# Allegro board MB1225_REVB_160222_1K.brd (continued)
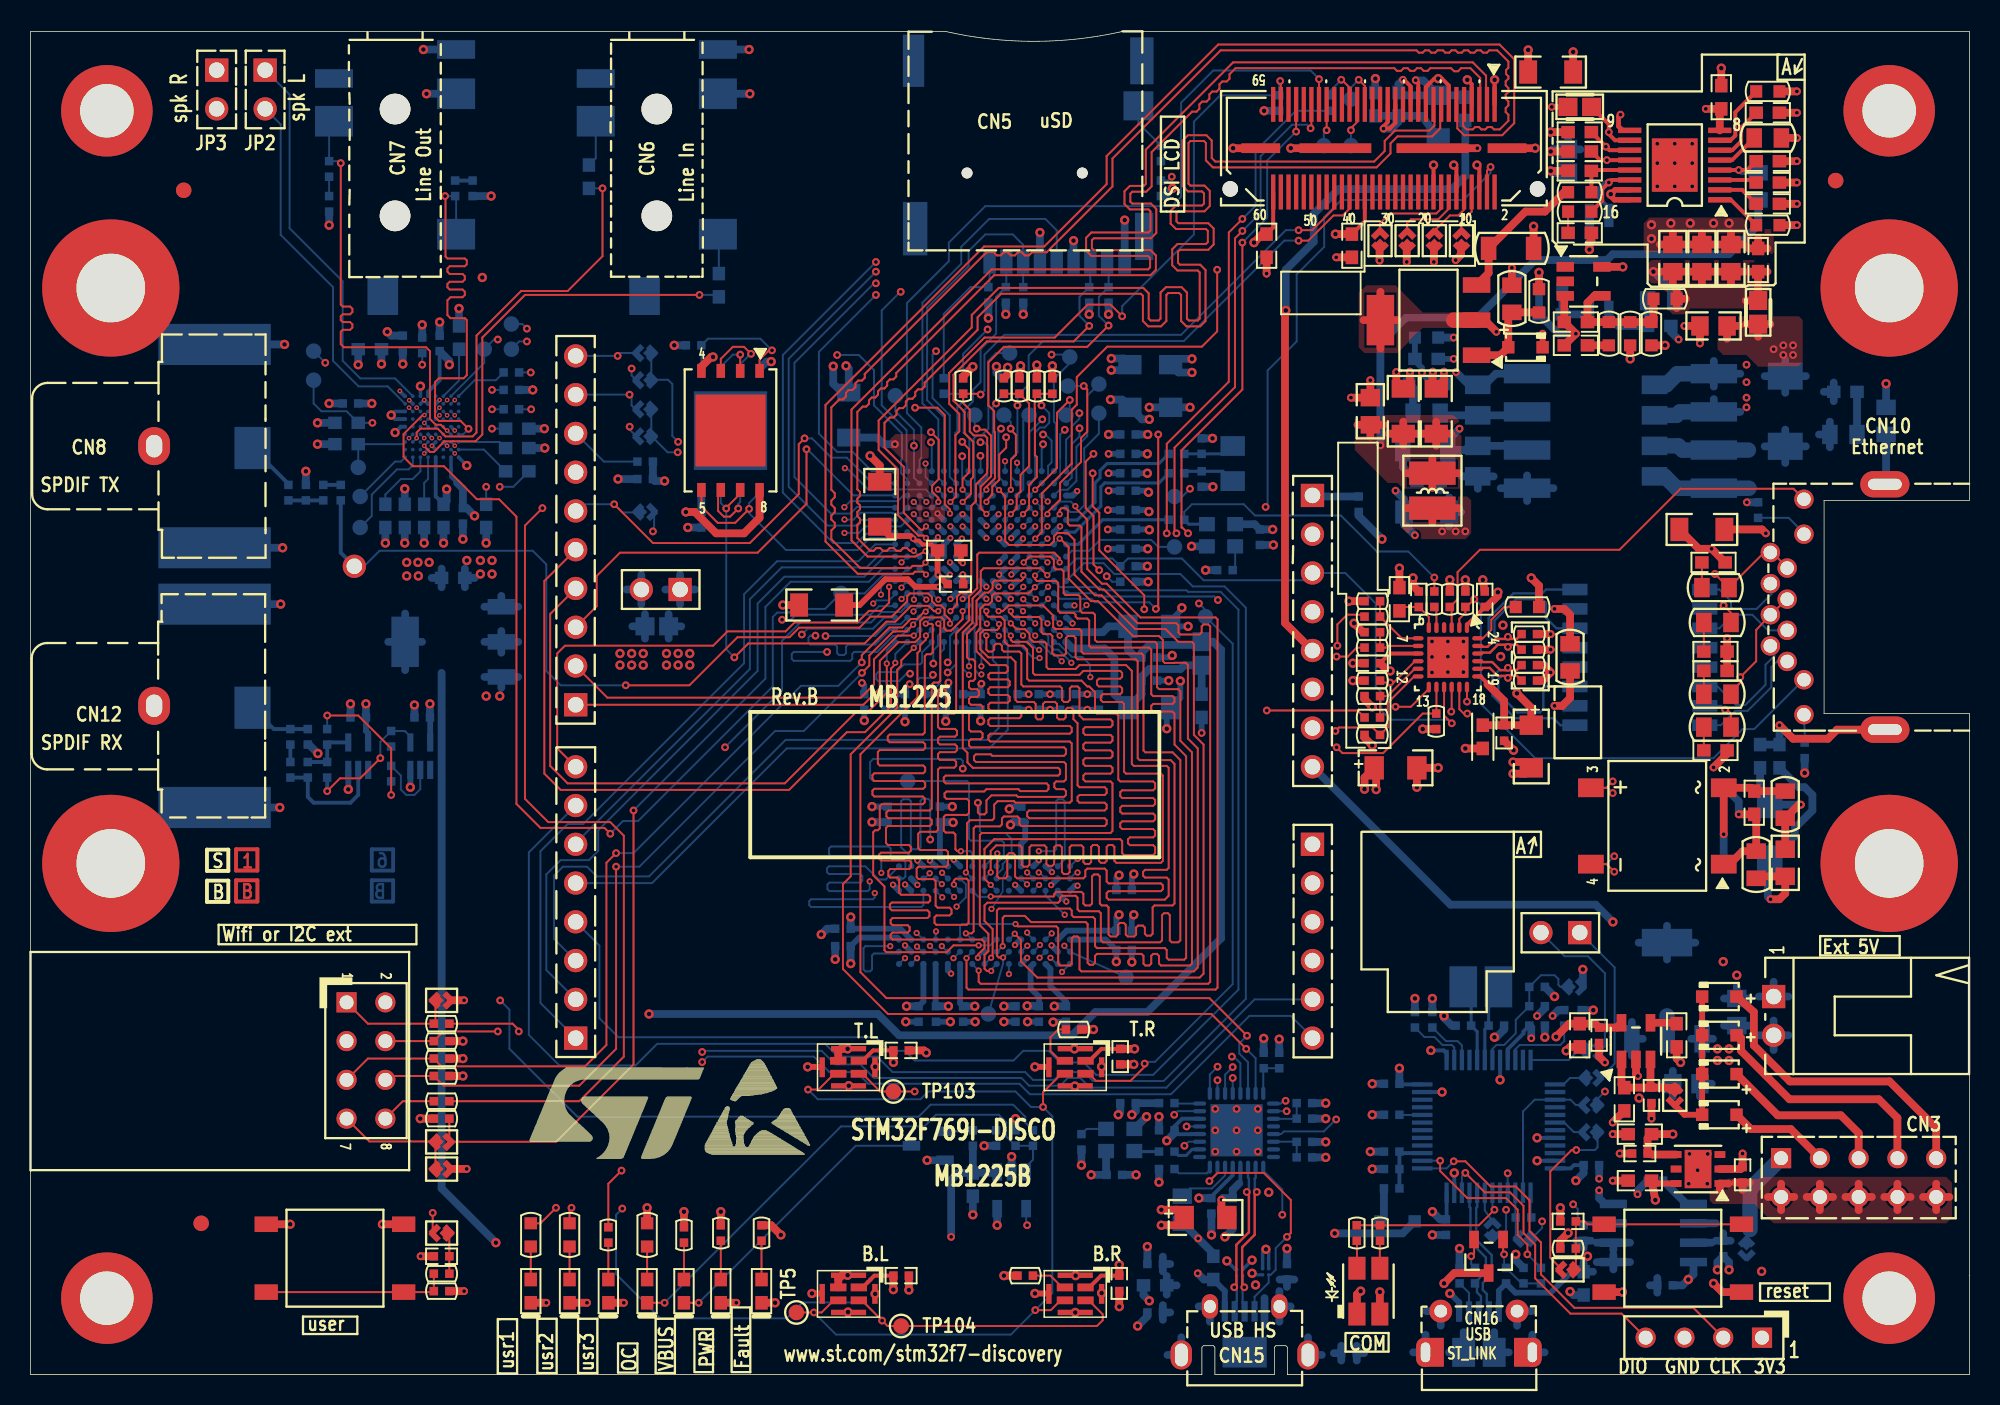
[diagram p0: board, top side]
## Routing (per net, layer and track width the routed paths; a pad name or vN(x,y) marks a point on that pad's centre or on a via; arc(x,y) is an arc through that point) (continued)
  BOTTOM w0.127: U11.H6 28.33,61.6 v2(28.69,61.96) ; CN7.6 27.88,77.15 C59.1 v2(27.15,77.22)
NETC59_2: length 1.1
  BOTTOM w0.254: C59.2 R77.1
NETC60_1: length 10.3
  TOP w0.254: CN1.27 89.4,82 89.03,81.64 v2(88.62,81.64) 88.62,81.79 88.9,82.06 CN1.29
  BOTTOM w0.508: v2(88.62,81.64) 89.15,81.64 89.6,82.08 C60.1 ; C60.1 91.14,82.47 C61.2 ; C60.1 L3.2
NETC60_2: length 10.9
  TOP w0.254: CN1.23 90.4,84.41 89.97,84.84 v2(89.89,84.84) ; CN1.21 90.9,84.64 v2(90.73,84.81)
  BOTTOM w0.508: C61.1 89.77,83.82 C60.2 89.6,84.54 v2(89.89,84.84) ; C61.1 93.85,83.82 L4.2 ; C61.1 91.24,84.79 90.75,84.79 v2(90.73,84.81)
NETC62_1: length 27.9
  TOP w0.127: v4(25.79,60.85) 25.79,60.83 26.16,60.45 26.42,60.45 27.11,61.14 27.66,61.14 27.67,61.15 29.14,61.15 29.59,61.59 29.59,67.94 32.38,70.74 v2(43.81,70.74)
  BOTTOM w0.127: v4(25.79,60.85) U11.D7 ; C62.1 44.96,70.74 v2(43.81,70.74)
NETC62_2: length 2.6
  BOTTOM w0.127: CN6.6 45.09,74.66 C62.2
NETC63_2: length 3.5
  BOTTOM w0.127: C63.2 28.07,65.13 U11.F1
NETC66_1: length 4.7
  BOTTOM w0.508: U10.1 103.38,69.34 104.01,68.71 C66.1 R84.1
NETC72_2: length 3.8
  BOTTOM w0.381: U13.E11 v3(59.41,56.41)
  BOTTOM w0.508: C72.2 55.45,61.39 55.88,60.96 v2(56.62,60.96)
NETC74_1: length 4.1
  L4_SIG w0.089: v4(27.79,60.86) 28.45,60.86
  L4_SIG w0.102: 28.45,60.86 29.11,60.86 v2(30.23,61.98)
  BOTTOM w0.089: U11.G7 v4(27.79,60.86)
  BOTTOM w0.127: C74.1 v2(30.23,61.98)
NETC77_2: length 3.4
  BOTTOM w0.203: R97.1 C77.2 78.22,60.33 X1.1
NETC78_1: length 3.2
  BOTTOM w0.127: C78.1 30.72,61.1 U11.H7
NETC82_1: length 3.7
  BOTTOM w0.127: U11.H8 29.69,60.6 C82.1
NETC82_2: length 6.9
  L4_SIG w0.102: v2(30.73,58.17) 30.09,58.81 28.62,58.81 27.79,59.65 v4(27.79,60.36)
  BOTTOM w0.089: U11.G8 v4(27.79,60.36)
  BOTTOM w0.127: 32.64,59.18 31.62,58.17 v2(30.73,58.17)
NETC84_2: length 3.5
  BOTTOM w0.203: X1.2 78.1,59.18 C84.2 75.69,59.18 R99.1
NETC87_1: length 2.3
  BOTTOM w0.254: C87.1 R102.1 R101.2
NETC87_2: length 3.4
  BOTTOM w0.254: C87.2 16.89,58.35 CN8.4
NETC90_1: length 6.6
  L4_SIG w0.102: v2(29.84,58.17) 28.8,58.17 26.79,60.18 v4(26.79,61.36)
  BOTTOM w0.089: U11.E6 v4(26.79,61.36)
  BOTTOM w0.127: C90.1 v2(29.84,58.17)
NETC93_1: length 3.2
  BOTTOM w0.127: U11.D9 26.04,58.68 25.78,58.42 C93.1
NETC95_2: length 4.5
  BOTTOM w0.127: C95.2 23.24,57.66 24.26,58.67 25.03,58.67 25.54,59.18 U11.C9
NETC119_1: length 3.9
  BOTTOM w0.254: U16.4 19.57,41.41 C119.1 R114.1 R115.2
NETC119_2: length 9.9
  TOP w0.127: v2(19.43,43.18) 21.46,43.18 23.62,41.02 v2(23.62,37.97)
  BOTTOM w0.127: C119.2 v2(19.43,43.18) ; R117.1 v2(23.62,37.97)
NETC120_1: length 4.2
  BOTTOM w0.254: R111.2 C120.1 15.94,42.29 CN12.4
NETC120_2: length 1.1
  BOTTOM w0.254: C120.2 R116.1
NETC148_1: length 29.1
  L4_SIG w0.508: v2(76.48,8.92) 75.82,8.26 74.75,8.26 74.12,7.62 72.9,7.62 71.75,8.76 60.55,8.76 v2(60.3,9.02)
  BOTTOM w0.508: C148.1 63.26,13.21 U21.1 ; C148.1 60.76,13.21 60.3,12.75 v2(60.3,9.02) ; C148.1 R132.1 ; L7.1 77.47,7.92 v2(76.48,8.92) 75.49,9.91 R142.2
NETC153_2: length 18
  BOTTOM w0.508: 80.82,5.01 CN15.5 80.82,3.26 ; 75.37,2.44 CN15.9 74.47,1.28 ; L8.2 74.42,6.45 ; L8.2 75.07,5.84 ; L8.2 74.42,5.23 ; C153.2 74.65,7.24 ; C153.2 74.17,6.76 ; C153.2 74.17,7.72 ; CN15.7 82.54,4.46 ; CN15.7 81.8,3.46 ; CN15.7 81.8,5.46 ; C156.2 74.17,4.55 ; C156.2 74.17,3.58 ; C156.2 74.65,4.06 ; C157.2 85.85,1.88 ; C157.2 85.85,0.91 ; C157.2 85.37,1.4 ; 83.67,2.44 CN15.8 84.58,1.28 ; 77.25,3.46 CN15.6 76.51,4.46 ; 82.3,5.74 C154.2 ; C154.2 82.78,6.22 ; C154.2 81.81,6.22
NETC200_1: length 3.5
  BOTTOM w0.508: R85.1 C200.1 101.98,69.47 U10.2
NETCN1_8: length 2.9
  TOP w0.127: CN1.8 94.4,76.2 93.72,75.52 SB1.1
NETCN1_10: length 3.7
  TOP w0.127: CN1.10 93.9,76.33 93.51,75.95 92.96,75.95 91.95,74.93
NETCN1_14: length 4.8
  TOP w0.127: SB3.1 90.16,75.43 90.42,75.69 92.2,75.69 92.9,76.39 CN1.14
NETCN1_16: length 6.1
  TOP w0.127: CN1.16 92.4,76.39 92.08,76.07 89.03,76.07 88.38,75.43 SB4.1
NETCN1_39: length 3.2
  TOP w0.127: CN1.39 86.4,84.33 85.89,84.84 v2(85.85,84.84)
  BOTTOM w0.127: v2(85.85,84.84) 85.09,84.07 R7.2
NETCN2_1: length 7.9
  TOP w0.127: CN2.1 22.1,22.99 R50.2 26.52,23.09 SB5.2
NETCN2_7: length 8.2
  TOP w0.127: SB8.2 SB6.2 22.19,15.27 CN2.7
NETCN2_8: length 3.6
  TOP w0.127: R57.1 24.38,17.91 CN2.8
NETCN5_10: length 3.2
  BOTTOM w0.127: R73.2 72.57,81.99 CN5.10
NETCN9_8: length 4.8
  BOTTOM w0.127: R98.1 37.55,59.82 CN9.8
NETCN10_1: length 7.9
  BOTTOM w0.13: CN10.1 114.39,46.72 114.02,46.35 114.02,45.03 112.47,43.48 111.66,43.48 110.72,42.55 T4.16
NETCN10_2: length 8
  BOTTOM w0.13: CN10.2 114.22,47.55 114.22,47.09 113.64,46.51 113.64,45.19 112.31,43.87 111.71,43.87 110.49,45.09 T4.14
NETCN10_3: length 6.2
  BOTTOM w0.13: T4.11 110.62,48.9 111.51,49.78 112.78,49.78 113.8,48.76 CN10.3
NETCN10_4: length 26.4
  TOP w0.127: D4.4 103.24,33.44 v2(103.73,32.94) ; 111.38,44.58 111.38,44.73 111.99,45.34 v2(111.99,45.69) 113.03,46.74 113.03,48.78 CN10.4 115.05,50.8 CN10.5
  L4_SIG w0.102: v2(111.99,45.69) 111.76,45.47 111.76,39.75 105.26,33.25 104.04,33.25 v2(103.73,32.94)
NETCN10_6: length 6.2
  BOTTOM w0.13: CN10.6 114.03,51.14 113.06,50.16 111.51,50.16 111.38,50.29 111.38,50.67 110.62,51.44 T4.9
NETCN10_7: length 26.7
  TOP w0.127: CN10.7 114.11,53.86 CN10.8 113.55,53.86 R26.2 111.22,51.56 v2(110.33,52.46) ; D4.3 103.21,38.44 v2(103.63,38.86)
  L4_SIG w0.102: v2(110.33,52.46) 109.22,51.35 109.22,40.64 107.82,39.24 104.01,39.24 v2(103.63,38.86)
NETCN11_1: length 3.1
  BOTTOM w0.508: R103.1 84.04,57.53 CN11.1
NETCN14_5: length 88
  L4_SIG w0.102: v2(43.99,21.13) 44.32,21.46 44.32,53.04 42.39,54.97 v2(42.39,60.43)
  BOTTOM w0.127: v2(42.39,60.43) 41.73,60.43 SB14.2 SB13.2 ; CN14.5 80.18,24.58 74.4,18.8 69.39,18.8 68.76,19.43 67.94,19.43 67.44,18.92 65.41,18.92 64.9,19.43 55.24,19.43 54.36,20.32 52.7,20.32 51.82,21.21 44.07,21.21 v2(43.99,21.13)
NETCN14_6: length 92.9
  L4_SIG w0.102: v2(43.99,20.47) 44.63,21.11 44.63,53.14 43.97,53.8 43.97,57.63 43.1,58.5 43.1,60.43 v2(42.42,61.11)
  BOTTOM w0.127: v2(43.99,20.47) 44.35,20.83 51.31,20.83 52.32,19.81 54.1,19.81 54.86,19.05 64.77,19.05 65.46,18.36 74.7,18.36 79.83,23.5 82.55,23.5 83.97,22.08 CN14.6 ; v2(42.42,61.11) 42.04,61.49 42.04,64.9 41.75,65.18 SB12.2 SB11.2
NETCN15_4: length 15.8
  TOP w0.127: v2(77.22,12.67) 77.75,13.21 80.77,13.21 82.55,11.43 82.55,9.27 v2(82.3,9.02)
  BOTTOM w0.127: v2(82.3,9.02) 81.56,8.28 81.56,6.86 81.23,6.53 D12.A2 81.1,6.02 80.17,5.09 CN15.4 ; U20.23 77.74,13.2 v2(77.22,12.67)
NETCN16_4: length 2.1
  BOTTOM w0.127: CN16.4 94.22,5.35 R149.2
NETD1_1: length 6.5
  TOP w0.508: T1.1 96.27,66.79 D1.1 96.79,69.36 R10.2 R12.2
NETD1_2: length 23.9
  TOP w0.381: R2.2 v2(99.64,83.06) ; D1.2 v2(99.04,68.2)
  L4_SIG w0.381: v2(99.04,68.2) 99.04,70.59 100.46,72.01 100.46,74.8 101.98,76.33 103.63,76.33 104.52,77.22 104.52,81.28 103.5,82.3 100.41,82.3 v2(99.64,83.06)
NETD3_1: length 2
  BOTTOM w0.508: R24.1 90.55,64.66 D3.1
NETD5_2: length 9.9
  TOP w0.381: D5.2 D6.2 D7.2 D8.2 108.33,17.02 107.7,17.64 SB7.1
NETD9_3: length 18.8
  TOP w0.127: v2(111,43.56) 111.12,43.56 111.38,43.31 111.38,42.42
  L4_SIG w0.102: v2(103.73,33.96) 104.11,33.58 105.03,33.58 111.38,39.93 111.38,43.18 v2(111,43.56)
  BOTTOM w0.127: v2(103.73,33.96) 103.21,33.44 D9.3 ; T4.15 110.74,43.81 v2(111,43.56)
NETD9_4: length 21.5
  TOP w0.127: v2(110.9,50.39) 111.38,49.91 111.38,49.28
  L4_SIG w0.102: v2(103.63,38.1) 104.39,38.86 107.82,38.86 109.47,40.51 109.47,48.97 v2(110.9,50.39)
  BOTTOM w0.127: D9.4 103.29,38.44 v2(103.63,38.1) ; v2(110.9,50.39) 110.67,50.16 T4.10
NETD11_2: length 2.3
  BOTTOM w0.508: D11.2 88.65,10.27 R141.2
NETJP2_1: length 26.7
  BOTTOM w0.127: U11.B1 23.87,65.27 21.6,65.27 20.45,66.42 20.45,71.63 16.97,75.11 16.97,83.87 JP2.1
NETJP2_2: length 24.2
  BOTTOM w0.127: JP2.2 16.38,81.92 16.38,74.68 19.81,71.25 19.81,66.42 21.49,64.75 23.4,64.75 U11.A2
NETJP3_1: length 27.9
  L4_SIG w0.102: JP3.1 13.84,83.82 13.84,82.3 18.16,77.98 18.16,72.52 23.5,67.17 23.5,65.53 25.08,63.95 25.08,63.56 v4(25.29,63.35)
  BOTTOM w0.089: U11.C3 v4(25.29,63.35)
NETJP3_2: length 25.1
  L4_SIG w0.102: JP3.2 17.65,77.47 17.65,72.26 22.35,67.56 22.35,65.82 24.51,63.66 24.51,63.63 v4(24.79,63.35)
  BOTTOM w0.089: U11.B3 v4(24.79,63.35)
NETLD1_1: length 2.2
  TOP w0.127: LD1.1 R62.2
NETLD2_1: length 2.2
  TOP w0.127: LD2.1 R63.2
NETLD3_1: length 2.4
  TOP w0.127: LD3.1 R64.1
NETLD4_1: length 2.2
  TOP w0.127: LD4.1 R65.1
NETLD4_2: length 33.7
  TOP w0.127: LD4.2 v2(41.53,4.7)
  BOTTOM w0.127: v2(41.53,4.7) 53.09,16.26 58.55,16.26 59.31,17.02 63.42,17.02 63.91,16.54 63.91,15.6 R130.2 R129.1 65.66,14.07 65.21,13.62 U21.3
NETLD5_1: length 2.4
  TOP w0.127: LD5.1 R66.1
NETLD5_2: length 19.2
  TOP w0.127: LD5.2 v2(43.76,4.7)
  BOTTOM w0.127: v2(43.76,4.7) 54.05,14.99 T5.3
NETLD6_1: length 2.5
  TOP w0.127: R58.2 LD6.1
NETLD7_1: length 2.5
  TOP w0.127: R59.1 LD7.1
NETLD7_2: length 66.9
  TOP w0.508: LD7.2 v1(48.77,4.7)
  L4_SIG w0.508: v1(108.58,6.22) 93.6,6.22 93.09,6.73 85.98,6.73 81.92,2.67 76.45,2.67 75.88,3.24 73.85,3.24 72.64,2.03 51.44,2.03 v1(48.77,4.7)
  BOTTOM w0.508: U22.8 108.92,6.56 v1(108.58,6.22) 108.2,5.84 R150.1
NETLD8_2: length 1.8
  TOP w0.127: LD8.2 86.88,8.75 R60.2
NETLD8_3: length 1.8
  TOP w0.127: R61.2 88.38,8.75 LD8.3
NETR1_2: length 4.6
  TOP w0.254: R1.2 111.66,82.71 111.66,81.18 111.35,80.87 U1.7
NETR2_1: length 17.2
  TOP w0.254: U1.10 103.78,80.87 103.38,81.28 v2(103.38,81.41) 103.38,81.93 R2.1
  TOP w0.508: R10.1 v2(97.03,72.52)
  L4_SIG w0.381: v2(97.03,72.52) 97.03,75.18 98.17,76.33 99.06,76.33 101.47,78.74 101.47,79.88 103,81.41 v2(103.38,81.41)
NETR3_2: length 2.9
  TOP w0.254: U1.5 111.45,79.57 R3.2
NETR4_2: length 9.5
  TOP w0.508: R4.2 100.46,77.47 99.19,76.2 97.92,76.2 R9.2 95.5,72.17 T1.3
NETR5_2: length 6.6
  TOP w0.254: R5.2 102.95,76.91 102.95,77.67 v2(103.38,78.11) 103.55,78.27 U1.14
  BOTTOM w0.254: v2(103.38,78.11) 103.12,78.11 102.74,77.72 102.74,77.09 103.38,76.45 U10.4
NETR6_1: length 3.1
  TOP w0.254: U1.1 111.37,76.97 R6.1
NETR20_2: length 9.9
  TOP w0.127: R21.2 R20.2 65.79,64.14 65.79,63.7 65.77,63.68 65.77,63.32 65.79,63.3 65.79,60.25 65.91,60.12 65.91,58.8 65.41,58.29 65.41,56.77 v3(65.01,56.37)
  BOTTOM w0.102: U13.E5 v3(65.01,56.37)
NETR27_2: length 1.4
  TOP w0.127: U3.5 92.09,50.15 R27.2
NETR30_1: length 4.1
  TOP w0.127: R30.1 R32.1 89.81,48.24 U3.7
NETR31_1: length 3.7
  TOP w0.127: R31.1 96.52,50.29 95.68,49.45 95.68,48.79 95.13,48.24 U3.24
NETR34_1: length 3.6
  TOP w0.127: R34.1 R36.1 88.77,47.62 88.89,47.74 U3.8
NETR38_1: length 4.4
  TOP w0.508: R38.1 100.84,49.78 100.46,50.16 v2(99.82,50.16)
  BOTTOM w0.508: T4.7 v2(99.82,50.16)
NETR38_2: length 4.3
  TOP w0.508: R38.2 100.84,44.32 100.33,43.81 v2(99.82,43.81)
  BOTTOM w0.508: T4.2 v2(99.82,43.81)
NETR43_1: length 4.6
  TOP w0.127: U3.11 90.66,46.24 88.87,44.45 R43.1 R44.1
NETR51_1: length 3.3
  TOP w0.127: U6.2 67.46,20.56 66.8,21.21 66.8,22.1 67.31,22.61 R51.1
NETR64_2: length 51.2
  TOP w0.127: v2(38.71,13.36) 37.85,12.5 R64.2
  L4_SIG w0.102: v2(40.77,55.24) 41.15,54.86 41.91,54.86 43.94,52.83 43.94,22.48 43.31,21.84 43.31,17.96 v2(38.71,13.36)
  BOTTOM w0.127: v2(40.77,55.24) 40.84,55.32 SB15.1
NETR71_1: length 2.4
  TOP w0.127: U9.2 67.57,5.71 66.8,6.48 65.66,6.48
NETR87_1: length 6
  L4_SIG w0.102: v4(25.79,62.35) 25.51,62.63 25.51,63.06 25.57,63.12 25.57,63.67 25.4,63.84 25.4,64.12 24.89,64.63 24.89,65.41 v2(25.65,66.17)
  BOTTOM w0.089: U11.D5 v4(25.79,62.35) 25.79,62.36 U11.D4
  BOTTOM w0.127: R87.1 v2(25.65,66.17)
NETR88_2: length 3.6
  BOTTOM w0.127: R88.2 30.48,65.15 29.09,65.15 U11.H1
NETR94_1: length 3.8
  L4_SIG w0.089: 28.45,64.51 v4(27.79,63.85)
  L4_SIG w0.102: 28.45,64.51 28.45,64.52 v2(30.23,64.52)
  BOTTOM w0.089: U11.G2 v4(27.79,63.85)
  BOTTOM w0.127: R94.1 v2(30.23,64.52)
NETR95_2: length 4.2
  L4_SIG w0.102: v2(30.23,63.25) 30.12,63.14 27.58,63.14 v4(27.29,62.86)
  BOTTOM w0.089: U11.F3 v4(27.29,62.86)
  BOTTOM w0.127: R95.2 v2(30.23,63.25)
NETR100_2: length 1.1
  BOTTOM w0.254: R101.1 R100.2
NETR107_2: length 1.6
  BOTTOM w0.127: X2.1 78.9,52.87 R107.2
NETR108_2: length 7.7
  L4_SIG w0.102: v3(65.02,51.61) 65.46,51.18 67.18,51.18 67.82,51.82 70,51.82 70.49,52.31 70.49,52.31 v2(70.49,52.31)
  BOTTOM w0.127: R108.2 70.85,51.94 v2(70.49,52.31) ; v3(65.02,51.61) 65.02,51.59 U13.L5
NETR112_1: length 5.9
  BOTTOM w0.127: U15.2 25.53,38.35 25.15,37.97 24.61,37.97 24.26,38.33 24.26,39.24 R117.2 R112.1
NETR115_1: length 7.7
  BOTTOM w0.254: R116.2 R115.1 18.16,37.85 18.54,37.47 20.95,37.47 21.46,37.97 U16.2
NETR121_2: length 3.4
  BOTTOM w0.127: R121.2 92.71,21.84 93.47,21.84 93.75,21.56 U19.3
NETR122_2: length 3.9
  BOTTOM w0.127: U19.2 93.25,21.43 93.09,21.59 92.48,21.59 91.96,22.11 91.3,22.11 R122.2
NETR126_1: length 1.7
  BOTTOM w0.127: R126.1 74.96,17.75 U20.32
NETR127_2: length 1.5
  BOTTOM w0.127: R127.2 89.67,17.01 U19.44
NETR131_1: length 3.4
  BOTTOM w0.127: R131.1 R132.2 61.66,15.94 T5.1
NETR134_2: length 1.8
  BOTTOM w0.127: X4.1 69.18,16.09 R134.2
NETR136_2: length 1.9
  BOTTOM w0.203: U20.26 76.09,14.75 75.69,14.35 75.18,14.35 R136.2
NETR139_1: length 2.7
  BOTTOM w0.127: R139.1 75.21,13.18 77.04,13.18 77.24,13.39 U20.24
NETR140_1: length 2.6
  BOTTOM w0.508: R140.1 108.46,11.18 U22.5
NETR142_1: length 3.9
  BOTTOM w0.127: R142.1 75.95,12.19 77.39,12.19 78.24,13.04 U20.22
NETR145_1: length 4.6
  TOP w0.127: T3.1 96.45,7.94 v2(96.52,7.87)
  BOTTOM w0.127: R145.1 R146.2 97.66,5.97 R147.1 96.52,7.11 v2(96.52,7.87)
NETR148_2: length 2
  TOP w0.127: T3.2 94.55,7.94 v2(94.36,7.75)
  BOTTOM w0.127: v2(94.36,7.75) 94.36,7.24 R148.2
NETU20_17: length 22.2
  L4_SIG w0.102: v2(81.99,10.46) 80.52,10.46 80.01,9.96 76.33,9.96 75.54,9.17 72.39,9.17 71.78,9.78 v2(65.28,9.78)
  BOTTOM w0.127: v2(65.28,9.78) 65.21,9.85 U21.4 ; v2(81.99,10.46) 81.99,12.12 80.74,13.36 U20.17
NRST: length 109.6
  TOP w0.127: U3.15 92.59,43.18 v2(93.09,42.67) ; v2(101.24,14.71) 100.94,14.71 99.54,13.31 99.54,7.65 100.2,6.99
  L4_SIG w0.102: v2(93.09,42.67) 93.09,31.88 97.73,27.24 97.73,25.72 99.44,24 100.61,24 101.24,23.37 v2(101.24,14.71) 101.22,14.73 97.66,14.73 97.03,15.37 87,15.37 84.58,12.95 77.72,12.95 75.71,14.97 75.56,14.97 v2(75.58,14.99)
  BOTTOM w0.127: v2(101.24,14.71) 102.46,14.71 102.64,14.88 SB20.2 ; U13.J1 68.5,53.47 70.87,53.47 R106.1 71.88,53.47 75.41,53.47 76.83,52.04 83.49,52.04 CN11.3 86.11,52.52 88.11,50.52 88.11,45.09 88.47,44.73 88.47,43.51 89.08,42.9 92.86,42.9 v2(93.09,42.67) ; v2(75.58,14.99) 75.85,15.25 U20.27
OSC_24M: length 1.6
  BOTTOM w0.203: X4.3 72.34,14.61 R136.1
OSC_25M: length 21.6
  TOP w0.127: R27.1 v2(91.95,52.22)
  BOTTOM w0.127: v2(91.95,52.22) 90.25,53.92 88.19,53.92 85.83,56.29 80.2,56.29 79.46,57.02 76.07,57.02 75.56,56.52 R104.1
  BOTTOM w0.203: R104.1 75.86,55.72 X2.3
OSC_IN: length 5.2
  BOTTOM w0.203: X3.2 94.36,24.88 C142.2 94.75,22.47 U19.5
OSC_OUT: length 5.2
  BOTTOM w0.203: U19.6 95.25,22.61 C141.2 95.5,24.76 X3.1
PA0: length 111.6
  TOP w0.127: SB9.1 v2(26.34,10.59)
  L4_SIG w0.102: v2(26.34,10.59) 26.9,10.03 38.61,10.03 46.61,18.03 65.02,18.03 65.28,18.29 76.07,18.29 76.2,18.16 81.03,18.16 81.66,17.53 81.66,17.02 82.04,16.64 82.63,16.64 83.01,17.02 83.01,19.35 82.42,19.94 82.42,29.97 83.31,30.86 84.48,30.86 85.5,31.88 85.5,35.15 81.64,39.01 81.64,43.94 78.94,46.63 74.45,46.63 73.33,47.75 67.56,47.75 66.96,48.35 66.96,48.73 66.61,49.09 v3(66.61,49.22)
  BOTTOM w0.127: U13.N3 v3(66.61,49.22)
PA1: length 33.4
  TOP w0.127: U3.14 92.09,43.32 R45.1 91.19,43.31 88.6,40.72 85.93,40.72 v2(85.55,41.1)
  L4_SIG w0.102: v2(85.55,41.1) 85.95,41.5 85.95,42.98 85.12,43.81 82.83,43.81 78.94,47.7 75.49,47.7 74.8,48.39 67.94,48.39 67.41,48.92 v3(67.41,49.22)
  BOTTOM w0.127: U13.N2 v3(67.41,49.22)
PA2: length 29.7
  TOP w0.127: U3.12 90.62,45.74 88.9,44.02 88.9,42.42 R47.1 87.91,42.39 85.7,42.39 v2(85.47,42.16)
  L4_SIG w0.102: v2(85.47,42.16) 85.47,42.67 84.71,43.43 82.73,43.43 78.82,47.35 75.36,47.35 74.57,48.13 67.69,48.13 v3(67.41,48.42)
  BOTTOM w0.127: U13.P2 v3(67.41,48.42)
PA3: length 39.6
  L4_SIG w0.102: v3(69.42,45.69) 73.13,45.69 74.27,44.55 77.52,44.55 79.17,42.9 79.17,20.57 v2(78.74,20.14)
  BOTTOM w0.127: v2(78.74,20.14) 78.24,19.65 U20.3 ; v3(69.42,45.69) 69.39,45.72 69.39,46.51 68.88,47.02 68.22,47.02 67.35,47.88 67.21,47.88 67.09,47.99 U13.R2
PA5: length 40.8
  L4_SIG w0.102: v3(65.81,48.42) 65.81,48.41 65.71,48.31 65.71,46.81 66.95,45.57 67.82,45.57 68.72,44.67 68.72,44.28 68.86,44.15 73.08,44.15 73.53,43.69 76.78,43.69 77.88,42.6 77.88,20.29 v2(77.75,20.17)
  BOTTOM w0.102: U13.P4 v3(65.81,48.42)
  BOTTOM w0.127: U20.1 77.24,19.66 v2(77.75,20.17)
PA7: length 23.6
  TOP w0.127: R44.2 86.92,43.51 v2(80.98,43.51)
  L4_SIG w0.102: v2(80.98,43.51) 78.16,46.33 74.24,46.33 73.46,47.12 67.92,47.12 v3(67.54,46.74)
  BOTTOM w0.127: v3(67.54,46.74) 67.06,47.22 66.85,47.22 66.23,47.84 U13.R3
PA8: length 66.6
  TOP w0.127: CN1.45 v2(84.9,81.53)
  L4_SIG w0.102: v2(55.37,72.9) 55.88,72.9 56.31,72.47 65.33,72.47 66.93,70.87 78.23,70.87 83.62,76.25 83.62,80.26 v2(84.9,81.53)
  BOTTOM w0.127: v2(55.37,72.9) 49.28,66.8 49.28,57.78 52.58,54.48 54.13,54.48 54.74,55.09 56.53,55.09 U13.F15 ; TP2.1 84.71,81.35 v2(84.9,81.53)
PA9: length 111.4
  L4_SIG w0.102: JP5.1 100.36,30.07 97.43,30.07 95.86,31.65 95.86,44.6 94.74,45.72 94.74,48.54 94.16,49.12 92.63,49.12 88.01,53.74 88.01,58.11 85.07,61.05 84.07,61.05 77.3,67.82 69.34,67.82 65.13,72.03 55.6,72.03 v2(55.37,72.26)
  BOTTOM w0.102: 55.65,55.99 U13.E15
  BOTTOM w0.127: v2(55.37,72.26) 49.66,66.55 49.66,58.17 52.2,55.63 54.06,55.63 54.42,55.99 55.65,55.99 ; SB18.1 103.76,20.36 103.76,26.67 JP5.1
PA10: length 106.4
  L4_SIG w0.102: v2(55.37,71.5) 55.58,71.7 64.95,71.7 69.22,67.44 77.32,67.44 83.96,60.8 84.92,60.8 87.76,57.96 87.76,53.67 92.56,48.87 93.95,48.87 94.46,48.36 94.46,45.62 95.61,44.48 95.61,31.39 98.04,28.96 JP5.2
  BOTTOM w0.127: JP5.2 100.48,27.41 102.01,27.41 103.12,26.29 103.12,21.51 SB17.1 ; v2(55.37,71.5) 55.24,71.5 50.04,66.29 50.04,58.8 52.43,56.41 53.7,56.41 54.13,56.85 56.58,56.85 U13.D15
PA13: length 116.4
  L4_SIG w0.102: v2(99.01,10.03) 99.26,9.78 101.35,9.78 102.23,10.67 102.23,17.02 103.63,18.41 103.63,20.83 103,21.46 103,24.51 102.74,24.77 101.6,24.77 95.35,31.01 95.35,44.22 94.36,45.21 91.77,45.21 91.31,45.67 91.31,49.73 87.5,53.54 87.5,57.84 84.86,60.48 83.85,60.48 77.27,67.06 68.96,67.06 64.64,71.37 56.01,71.37 v2(55.37,70.74)
  BOTTOM w0.127: v2(55.37,70.74) 51.64,67.01 51.64,61.65 52.83,60.45 53.85,60.45 55.11,59.19 U13.A15 ; v2(99.01,10.03) 99.01,9.6 98.33,8.92 SB22.2
PA14: length 97
  L4_SIG w0.102: v2(57,70.94) 64.44,70.94 70.23,65.15 78.74,65.15 83.72,60.17 84.76,60.17 87.25,57.68 87.25,53.44 91.06,49.63 91.06,45.54 91.69,44.91 94.31,44.91 95.1,44.12 95.1,30.76 101.82,24.04 101.82,19.85 v2(103.12,18.54)
  BOTTOM w0.127: U13.A14 57.38,59.25 57.38,61.87 55.75,63.5 55.75,69.72 56.97,70.94 v2(57,70.94) ; SB19.2 102.64,18.06 v2(103.12,18.54)
PA15: length 51
  TOP w0.127: CN1.47 v2(84.4,84.88)
  BOTTOM w0.127: v2(84.4,84.88) 84.4,84.9 83.85,85.45 77.47,85.45 75.36,83.34 75.36,77.17 74.75,76.56 62.53,76.56 60.15,74.17 60.15,72.95 57.4,70.21 57.4,62.99 58.34,62.05 58.34,60.06 58.23,59.94 U13.A13
PB0: length 40.5
  L4_SIG w0.102: v2(78.74,19.43) 78.62,19.43 78.26,19.79 78.26,42.82 77.11,43.97 73.79,43.97 72.72,45.03 68.78,45.03 68.02,45.8 67.18,45.8 66.09,46.89 v3(66.09,46.95)
  BOTTOM w0.127: v3(66.09,46.95) 65.68,46.95 U13.R5 ; U20.4 v2(78.74,19.43)
PB1: length 40.4
  L4_SIG w0.102: v2(78.69,20.83) 78.69,42.88 77.32,44.25 74.07,44.25 73,45.31 68.99,45.31 68.28,46.02 67.28,46.02 66.78,46.53 66.78,47.07 66.36,47.48 v3(66.06,47.48)
  BOTTOM w0.127: v2(78.69,20.83) 78.82,20.83 79.24,20.4 U20.5 ; U13.R4 65.95,47.48 v3(66.06,47.48)
PB2: length 50.7
  TOP w0.127: v2(46.35,56.74) 45.82,56.21 45.41,56.21 45.03,56.59 45.03,57.78 U250.6 ; v2(69.57,59.05) 69.57,56.9 70,56.46 70,54 72.95,51.05 v2(72.95,50.14)
  L4_SIG w0.102: v2(69.57,59.05) 69.47,59.05 68.78,59.74 65.96,59.74 65.25,60.45 62.89,60.45 62.69,60.66 58.75,60.66 58.55,60.86 58.55,61.14 57.94,61.75 52.76,61.75 47.22,56.21 46.89,56.21 v2(46.35,56.74) ; v2(72.95,50.14) 72.29,49.48 68.86,49.48 68.53,49.81 67.97,49.81 67.76,50.02 v3(65.01,50.02)
  BOTTOM w0.127: U12.6 46.48,57.18 46.35,57.05 v2(46.35,56.74) ; U13.M5 v3(65.01,50.02)
PB3: length 6.6
  BOTTOM w0.127: R93.2 R92.2 61.09,63.75 60.71,63.37 60.71,61.82 60.58,61.7 60.58,59.24 U13.A10
PB4: length 15.1
  BOTTOM w0.127: CN5.2 63.92,71.28 R82.1 63.25,70.61 63.25,68.2 62.23,67.18 62.23,65.02 61.72,64.52 61.72,63.75 61.11,63.14 61.11,61.72 61.49,61.34 61.49,59.26 U13.A9
PB5: length 79.5
  L4_SIG w0.102: v2(85.52,16.71) 85.85,17.04 85.85,27.3 91.82,33.27 91.82,38.73 90.42,40.13 90.42,44.2 89.79,44.83 89.79,49.12 85.98,52.93 85.98,55.53 85.01,56.49 83.1,56.49 81.31,58.28 81.31,60.62 79.68,62.26 77.17,62.26 73.48,58.57 67.5,58.57 66.85,59.23 65.87,59.23 64.9,60.2 v2(62.22,60.2)
  BOTTOM w0.127: U13.A8 62.23,60.19 v2(62.22,60.2) ; v2(85.52,16.71) 85.49,16.71 84.71,15.93 82.09,15.93 81.92,15.75 U20.13
PB6: length 29.7
  TOP w0.127: U250.1 47.75,66.5 48.36,67.11 v2(48.56,67.11)
  L4_SIG w0.102: v2(63.56,61.98) 63.41,62.13 62.84,62.13 61.95,63.02 59.46,63.02 55.22,67.26 48.72,67.26 v2(48.56,67.11)
  BOTTOM w0.127: v2(48.56,67.11) 47.8,67.87 44.37,67.87 R86.1 U12.1 ; v2(63.56,61.98) 63.4,61.81 63.4,58.83 U13.B6
PB7: length 74.9
  TOP w0.127: v2(83.06,74.3) 83.69,74.3 85.34,75.95 85.95,75.95 86.4,76.39 CN1.40
  L4_SIG w0.102: v2(64.64,63.5) 64.03,64.11 63.32,64.11 62.41,65.02 59.94,65.02 56.01,68.96 35.05,68.96 32.26,66.17 32.26,63.78 v2(32.79,63.25)
  BOTTOM w0.127: U13.B5 64.22,58.8 64.22,60.01 64.64,60.43 v2(64.64,63.5) 64.64,64.14 R90.2 65.38,64.87 65.38,66.78 66.32,67.72 75.54,67.72 82.12,74.3 v2(83.06,74.3) ; R95.1 v2(32.79,63.25)
PB10: length 55.6
  TOP w0.127: v2(79.68,22.2) 77.22,24.66 56.06,24.66 54.36,26.37 54.36,40.64 58.09,44.37 58.09,47.27 58.27,47.45 58.27,47.78 58.65,48.16 v3(58.65,48.42)
  BOTTOM w0.127: v2(79.68,22.2) 79.17,21.69 79.17,21.03 79.74,20.46 U20.6 ; U13.P12 v3(58.65,48.42)
PB11: length 55.3
  TOP w0.127: v2(79.63,21.34) 77.34,23.62 56.16,23.62 53.21,26.57 53.21,32.13 53.72,32.64 53.72,40.64 56.77,43.69 56.77,46.18 57.04,46.44 57.04,46.8 v3(57.85,47.62)
  BOTTOM w0.127: U20.7 80.24,20.72 v2(79.63,21.34) ; U13.R13 v3(57.85,47.62)
PB12: length 55.2
  L4_SIG w0.102: v2(82.21,17.93) 81.67,18.47 77.44,18.47 76.64,19.27 76.64,20.82 76.89,21.06 76.89,41.22 75.29,42.82 71.6,42.82 71.3,42.52 68.76,42.52 67.13,44.15 66.5,44.15 66.34,44.3 66.34,45.14 63.68,47.8 61.54,47.8 60.83,48.51 60.07,48.51 59.74,48.84 59.31,48.84 59.05,49.1 59.05,50.12 59.35,50.42 59.61,50.42 59.82,50.63 59.82,50.92 59.61,51.13 59.03,51.13 v3(58.67,50.77)
  BOTTOM w0.127: U13.L13 58.25,51.19 v3(58.67,50.77) ; U20.9 81.89,17.75 82.07,17.93 v2(82.21,17.93)
PB13: length 59.6
  L4_SIG w0.102: v2(82.28,17.25) 82.75,17.73 82.75,18.11 82.09,18.77 77.57,18.77 76.95,19.39 76.95,20.62 77.19,20.85 77.19,42.34 76.43,43.1 71.42,43.1 71.15,42.82 68.88,42.82 68.12,43.59 68.12,44.48 67.51,45.09 66.73,45.09 63.8,48.01 61.72,48.01 60.96,48.77 60.15,48.77 59.82,49.1 59.82,50.08 60.15,50.42 60.45,50.42 60.61,50.58 60.61,51.48 60.12,51.97 59.28,51.97 58.85,51.54 57.07,51.54 v3(57.05,51.56)
  BOTTOM w0.127: v3(57.05,51.56) 57.05,51.61 U13.K14 ; U20.10 v2(82.28,17.25)
PC0: length 67.4
  L4_SIG w0.102: v2(75.72,16.25) 77.38,17.91 80.77,17.91 81.28,17.4 81.28,17.02 81.92,16.38 82.78,16.38 83.31,16.91 83.31,19.56 82.8,20.07 82.8,27.94 83.44,28.57 84.45,28.57 88.98,33.1 88.98,41.81 87.38,43.41 87.38,47.24 85.72,48.9 81.66,48.9 80.52,50.04 77.85,50.04 76.43,51.46 71.91,51.46 70.87,50.42 v3(69.16,50.42)
  BOTTOM w0.127: v3(69.16,50.42) 68.74,50 67.43,50 U13.M2 ; U20.29 v2(75.72,16.25)
PC1: length 32.7
  TOP w0.127: v2(89.41,43.75) 90.41,43.75 91.59,44.93 U3.13
  L4_SIG w0.102: v3(66.65,50.83) 66.7,50.88 67.54,50.88 68.1,51.44 70.38,51.44 71.42,52.48 75.92,52.48 76.45,51.94 78.54,51.94 79.04,51.44 84.58,51.44 85.85,50.16 86.84,50.16 87.88,49.12 87.88,45.21 89.34,43.75 v2(89.41,43.75)
  BOTTOM w0.127: v3(66.65,50.83) 66.65,50.8 66.24,50.39 U13.M3
PC3: length 71.4
  TOP w0.127: U5.4 54.49,19.71 55.65,18.54 TP103.1 v2(57.91,18.54) ; v2(72.97,20.37) 72.97,20.17 72.05,19.24 69.79,19.24 69.32,19.71 U6.4
  L4_SIG w0.102: v2(72.97,20.37) 72.97,19.89 72.72,19.63 68.4,19.63 67.56,18.8 58.17,18.8 v2(57.91,18.54) ; v3(65.84,50.83) 66.14,50.83 66.5,50.47 67.74,50.47 68.07,50.8 68.5,50.8 68.73,50.57 68.73,50.29 68.99,50.04 71.25,50.04 72.31,51.1 75.95,51.1 v2(76.53,50.52)
  BOTTOM w0.127: v2(76.53,50.52) 76.96,50.09 TP101.1 78.74,47.88 78.74,25.58 73.65,20.49 73.09,20.49 v2(72.97,20.37) ; v3(65.84,50.83) 65.47,51.19 U13.L4
PC4: length 25.1
  TOP w0.127: v2(85.55,47.04) 86.28,47.04 86.87,47.62 R36.2
  L4_SIG w0.102: v2(85.55,47.04) 84.99,46.48 81.28,46.48 79.25,48.51 75.56,48.51 75.06,49.02 68.96,49.02 68.41,49.57 67.84,49.57 67.63,49.78 65.41,49.78 65.01,49.39 v3(65.01,49.22)
  BOTTOM w0.102: U13.N5 v3(65.01,49.22)
